# Altium PCB gateway.PcbDoc (part 3 of 4)
Units mm, origin at the board's own origin, x right, y up, seen from the top; angles counter-clockwise.
Board outline 85 x 87.5 mm, 4 copper layers (L1, L2/PWR, L3/GND, L4), stack 1.58 mm thick; 275 components, 211 nets, 1349 pads, 793 vias.
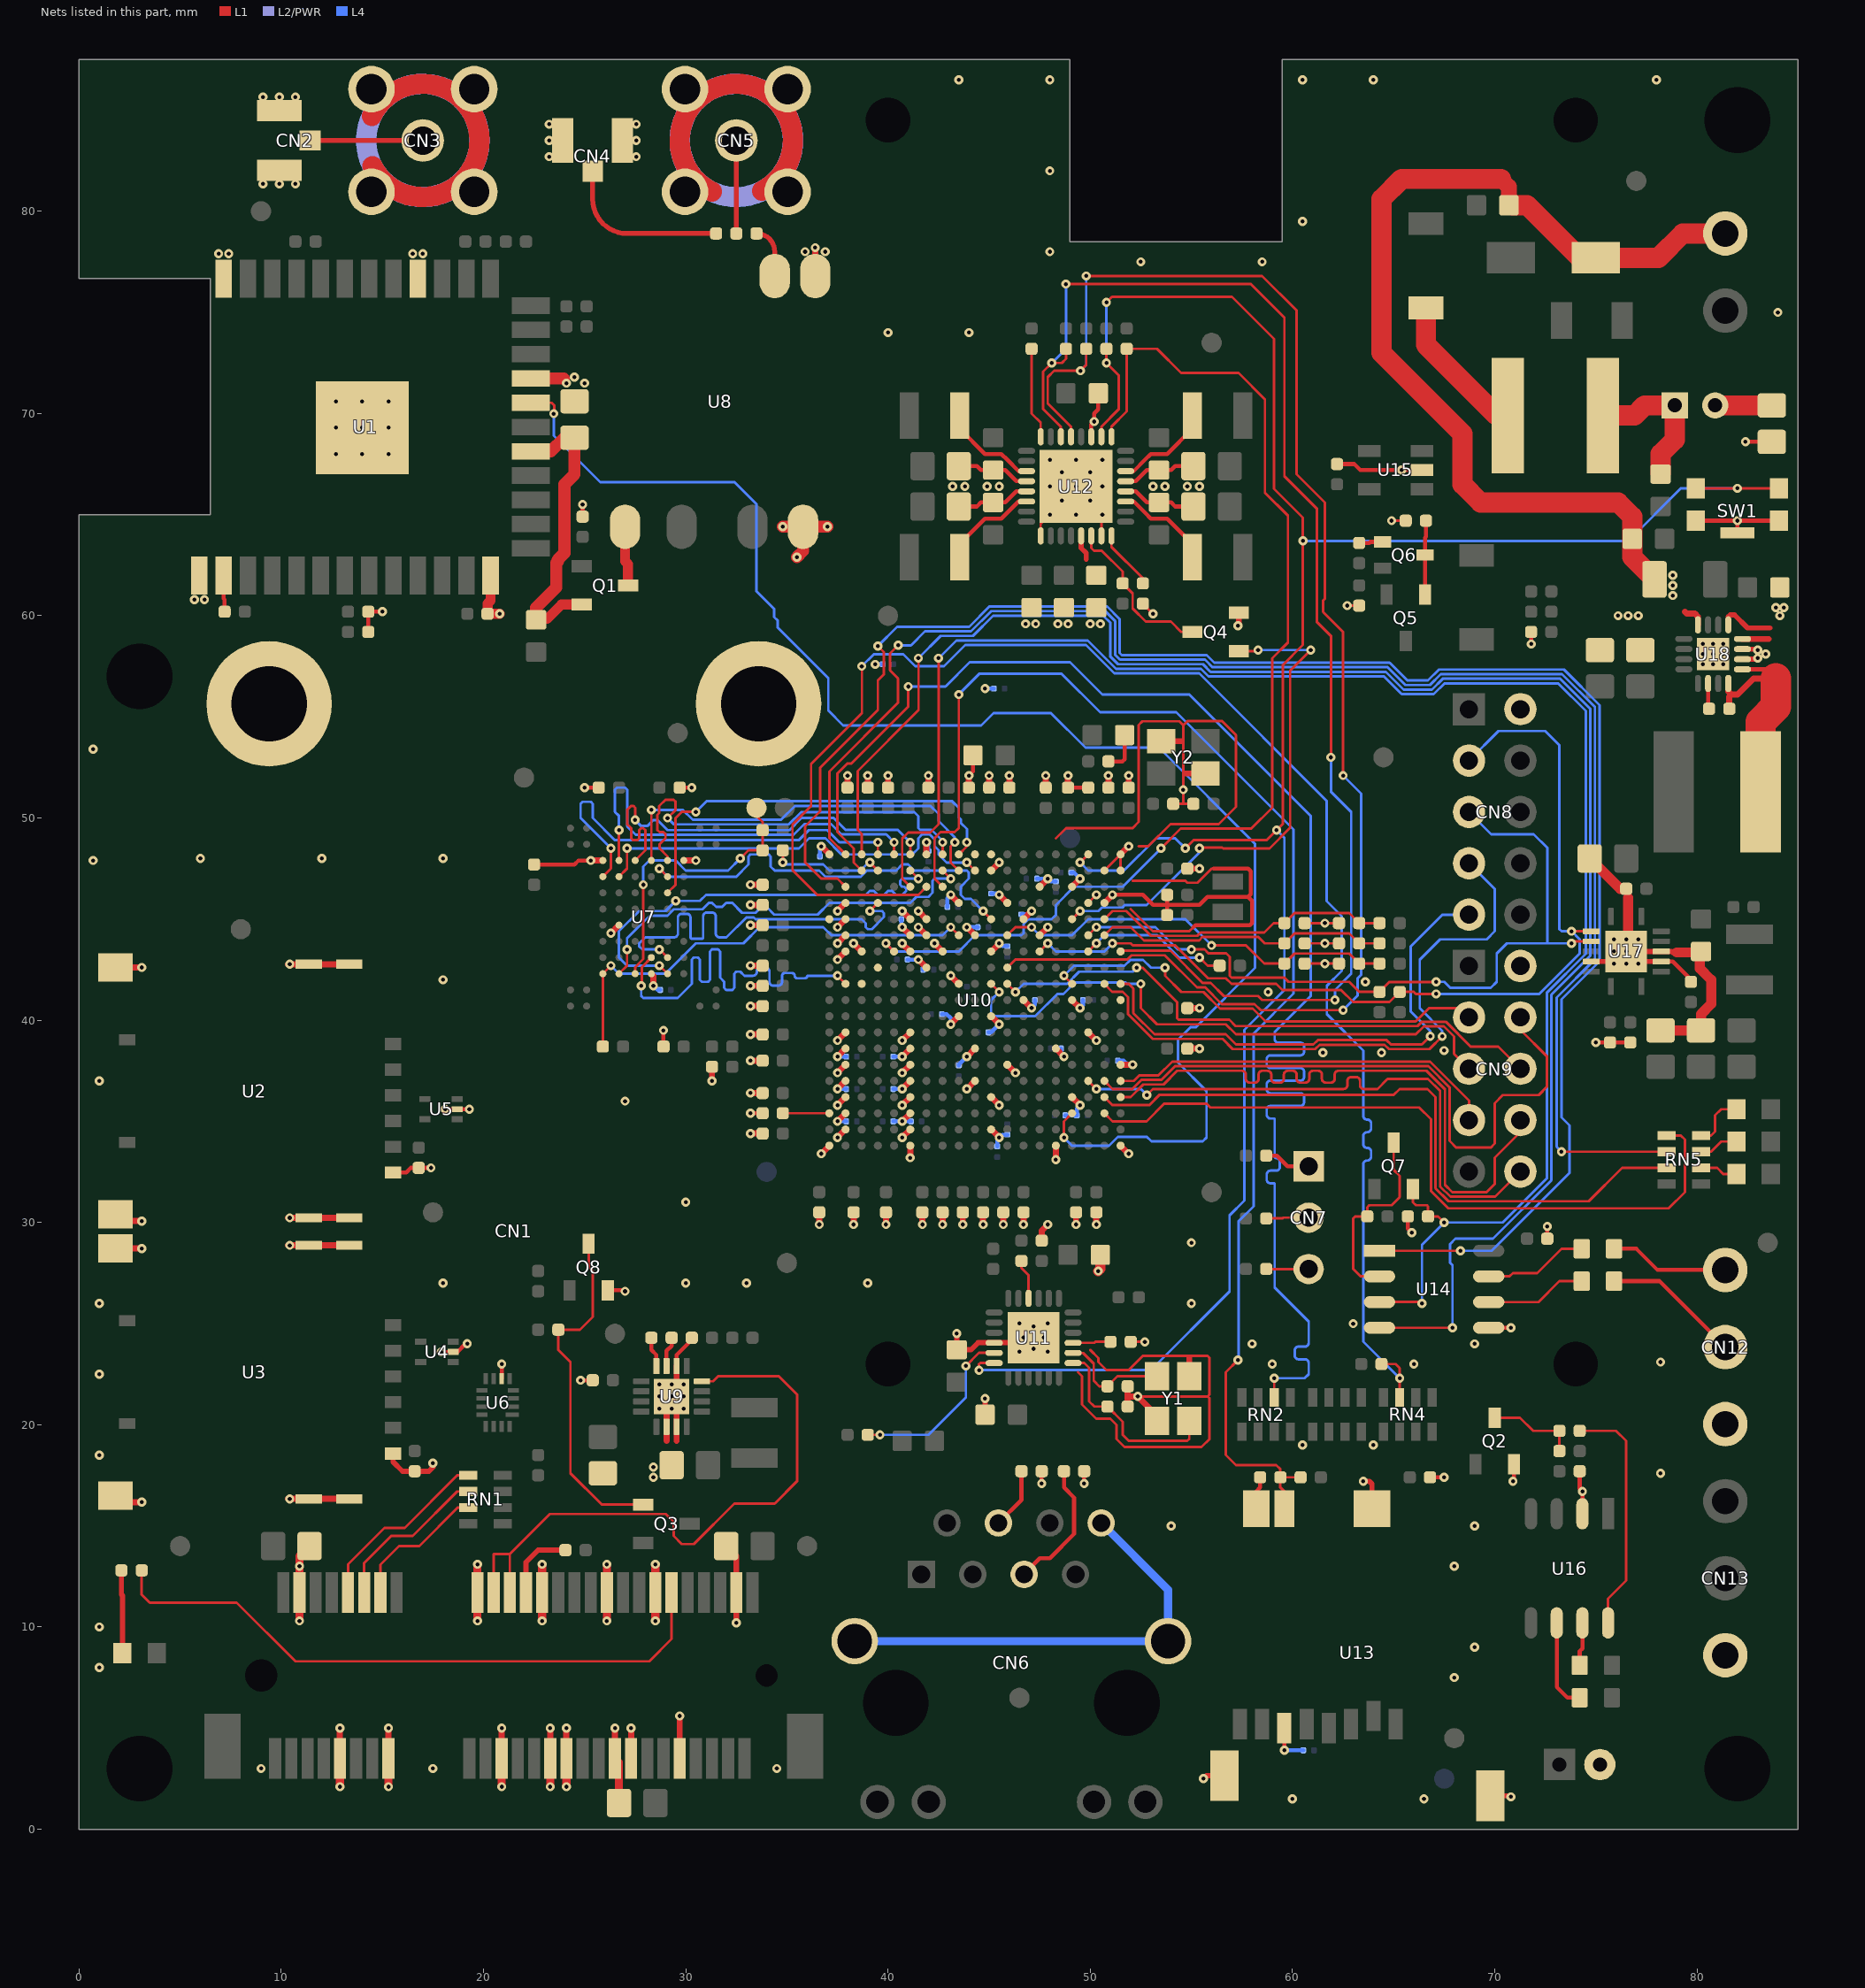
[diagram p5: the nets of this part, all layers, seen from the top]

## Via types
v1: diameter 0.45, hole 0.2, L1 to L4, 715 vias
v2: diameter 0.45, hole 0.2, L1 to L4, tented both sides, 78 vias

## Nets (pads, with @x,y where several pads share a name; then routed paths per layer and width w, separated by ;. In a path a pad name is that pad's centre, name@x,y a point inside that pad or via, vN(x,y) a via of type N, cw(c..) or ccw(c..) an arc to the next point about the centre after c; other vN are vias at no path point) (continued)
GND: C1.2 C2.2 C3.2 C4.2 C5.1 C6.2 C7.2 C8.1 C9.2 C10.2 C11.2 C13.2 C14.2 C15.2 C16.2 C17.2 C18.2 C19.1 C20.2 C21.1 C22.2 C23.2 C24.2 C25.2 C26.2 C28.2 C29.1 C30.2 C31.2 C32.2 C33.1 C34.1 C35.1 C36.1 C37.2 C38.1 C39.1 C40.2 C41.2 C42.2 C43.1 C44.2 C45.2 C46.2 C47.1 C48.1 C49.1 C50.1 C51.1 C52.2 C53.2 C54.2 C55.2 C56.1 C57.1 C58.1 C59.1 C60.2 C61.1 C62.1 C63.1 C64.1 C65.2 C66.2 C67.2 C68.1 C69.2 C70.1 C71.1 C72.1 C73.1 C74.1 C75.1 C76.1 C77.1 C78.1 C79.1 C80.1 C81.1 C82.2 C83.2 C84.2 C86.2 C87.2 C88.2 C89.1 C90.2 C92.2 C93.1 C94.2 C95.2 C96.2 C97.1 C98.2 C99.2 C102.2 C103.2 C104.2 C105.2 C106.2 C107.2 C108.2 C109.2 C110.2 C111.2 C112.2 C113.2 C114.2 C115.2 C116.2 C117.2 C118.2 C119.2 C120.2 C121.2 C122.2 C123.2 C124.2 C125.2 C126.2 C127.2 C128.2 C129.2 C130.2 C131.2 C132.2 C133.2 C134.2 C136.2 C137.2 C138.2 CN1.4 CN1.9 CN1.15 CN1.18 CN1.21 CN1.26 CN1.27 CN1.29 CN1.34 CN1.35 CN1.37 CN1.40 CN1.43 CN1.50 CN1.S1 CN1.S2 CN2.2 CN2.3 CN3.1 CN3.2 CN3.3 CN3.4 CN4.2 CN4.3 CN5.1 CN5.2 CN5.3 CN5.4 CN7.1 CN8.2 CN9.2 CN10.2 CN11.2L CN12.1L CN13.1L D3.1 Q2.2 Q4.2 Q8.2 R4.2 R11.2 R16.2 R17.1 R24.1 R30.1 R34.2 R36.1 R46.1 R47.1 R48.1 R50.2 R57.2 R58.1 R60.1 R67.2 R68.1 SW1.0 SW1.3 SW1.4 U1.1 U1.13 U1.21 U1.28 U1.36 U1.37 U2.5 U2.G1 U2.G2 U2.G3 U2.G4 U2.G5 U2.G6 U3.5 U3.G1 U3.G2 U3.G3 U3.G4 U3.G5 U3.G6 U4.2 U5.2 U6.6 U7.C5 U7.F7 U7.K3 U7.K8 U8.4 U8.5 U9.0 U9.6 U9.14 U9.15 U10.A1 U10.A5 U10.A14 U10.A19 U10.B9 U10.B14 U10.B18 U10.C14 U10.C18 U10.D4 U10.D9 U10.D14 U10.D18 U10.E10 U10.E14 U10.E18 U10.F1 U10.F8 U10.F14 U10.F18 U10.G5 U10.G10 U10.G14 U10.G18 U10.H3 U10.H14 U10.H18 U10.J9 U10.J11 U10.K4 U10.K7 U10.L11 U10.M13 U10.N9 U10.N12 U10.N14 U10.N17 U10.N18 U10.P6 U10.P10 U10.P13 U10.P14 U10.P18 U10.R7 U10.R13 U10.R14 U10.R18 U10.T2 U10.T3 U10.T8 U10.T11 U10.T18 U10.U4 U10.U6 U10.V1 U10.V2 U10.V9 U10.W1 U10.W13 U10.W19 U11.0 U11.22 U12.0 U12.3 U12.12 U12.13 U12.17 U12.23 U12.28 U12.29 U13.6 U13.MH1 U13.MH2 U13.S1 U14.5 U15.2 U16.2 U17.0 U17.5 U17.10 U17.11 U18.0 U18.4 U18.14 U18.15 Y1.2 Y1.4 Y2.2 Y2.4 | length 482.4
  L1 w0.125: U12.17@47.55,63.95 47.55,64.55 U12.0@47.7,64.7 ; 48.3,49 48.8,49.5 52.1,49.5 52.4,49.8 52.4,54.6 52.582,54.782 54.4,54.782 54.6,54.582 ; 49.4,22.6 49.6,22.4 49.6,21 50.3,20.3 51,20.3 51.3,20 51.3,19.3 51.7,18.9 55.5,18.9 55.9,19.3 55.9,21.3 55.8,21.4 ; U10.T3@49.9,45.8 v1@50.298,46.198 ; 50,23.7 50.4,23.3 50.4,23.1 50.8,22.7 51.9,22.7 52.6,23.4 55.8,23.4 55.9,23.3 55.9,21.5 55.8,21.4 ; U12.23@50.55,63.95 U12.0@50.55,64.786 ; U10.V2@50.7,47.4 U10.W1@51.5,48.2 U10.V1@51.5,47.4 ; R36.1@52,24.1 v1(52.7,24.1) ; 52,45.5 53.1,44.4 54.9,44.4 55.1,44.6 ; 52.1,46.9 54.7,46.9 54.8,46.8 55.3,46.8 56,47.5 56.1,47.5 ; v1(52.35,21.4) 55.8,21.4 ; 52.4,48.6 52.862,48.6 53.962,49.7 56.352,49.7 57.2,50.548 57.2,54.1 56.5,54.8 54.818,54.8 54.6,54.582 ; C69.2@52.6,60.6 v1(53.1,60.1) ; C68.1@54.1,50.7 54.6,50.7 ; C77.1@55.1,50.7 54.6,50.7 ; C80.1@60.6,42.8 v1(61.6,42.8) R48.1@62.3,42.8 ; C79.1@60.6,43.8 v1(61.6,43.8) R47.1@62.3,43.8 ; C78.1@60.6,44.8 v1(61.6,44.8) R46.1@62.3,44.8 ; v1(62.7,60.5) R50.2@63.3,60.5 ; v1(64.9,64.7) R57.2@65.6,64.7 ; U18.4@80.05,59.55 U18.4@80.05,59.85 ; 54.6,50.7 v1(54.6,51.4) 54.6,54.582
  L1 w0.2: R4.2@14.3,59.2 C2.2@14.3,60.2 v1(15,60.2) ; U2.5@15.53,32.475 16.175,32.475 16.4,32.7 C4.2@16.8,32.7 v1(17.4,32.7) ; v1(17.9,23.6) U4.2@18.5,23.6 18.713,23.6 19.119,24.006 v1(19.194,24.006) ; v1(18.1,35.6) U5.2@18.7,35.6 v1(19.3,35.6) ; U6.6@20.9,22.275 v1(20.9,23) ; C6.2@22.5,47.7 24.5,47.7 24.7,47.9 v1(25.3,47.9) ; v1(24.8,22.2) C8.1@25.4,22.2 ; R11.2@24.9,64.9 v1(24.9,65.5) ; v1(25,51.5) C10.2@25.7,51.5 ; Q8.2@26.15,26.65 26.95,26.65 v1(27,26.6) ; C14.2@28.9,38.7 v1(28.9,39.5) ; U9.6@29.55,22.9 29.55,23.45 30.3,24.2 R16.2@30.3,24.3 ; C13.2@29.7,51.5 v1(30.3,51.5) ; v1(33.2,35.4) R24.1@33.8,35.4 ; C35.1@43.5,65.4 44.4,65.4 44.6,65.6 C46.2@45.2,65.6 45.8,65.6 46.35,66.15 U12.13@46.85,66.15 ; C34.1@43.5,67.4 44.4,67.4 44.6,67.2 C45.2@45.2,67.2 45.8,67.2 46.35,66.65 U12.12@46.85,66.65 ; v1(44,52.1) 44.2,52.3 C41.2@44.2,53.1 ; v1(47.6,17.1) C50.1@47.6,17.7 ; C58.1@48.9,51.5 R34.2@49.9,51.5 ; v1(49.7,17.1) C57.1@49.7,17.7 ; U12.3@50.05,68.85 50.05,69.45 v1(50.2,69.6) 50.2,70 50.4,70.2 C55.2@50.4,71 ; v1(51.1,46.2) 52.6,46.2 53.1,45.7 53.8,45.7 ; U12.28@51.75,66.15 52.25,66.15 52.8,65.6 54,65.6 54.2,65.4 C76.1@55.1,65.4 ; U12.29@51.75,66.65 52.25,66.65 52.8,67.2 54,67.2 54.2,67.4 C75.1@55.1,67.4 ; C70.1@53.8,45.2 53.8,45.7 ; C72.1@53.8,46.2 53.8,45.7 ; 55.1,44.6 55.2,44.7 57.9,44.7 58,44.8 58,45.9 57.8,46.1 ; 56.1,47.5 57.8,47.5 57.931,47.369 57.931,46.231 57.8,46.1 ; R68.1@58.7,33.3 59.23,33.3 59.75,32.78 CN7.1@60.8,32.78 ; v1(59.6,3.9) U13.6@59.6,5 ; C81.1@62.2,67.5 63.05,67.5 63.35,67.2 v1(65.4,67.2) U15.2@66.4,67.2 ; R58.1@65.7,30.3 65.7,29.7 v1(65.9,29.5) ; C82.2@66.8,17.4 v1(67.5,17.4) ; U14.5@69.7,24.795 70.795,24.795 v1(70.8,24.8) ; v1(70.9,17.2) 70.95,17.25 Q2.2@70.95,18.05 ; v1(71.8,58.6) R60.1@71.8,59.2 ; C84.2@72.6,29.2 v1(72.6,29.8) ; C86.2@74.2,17.7 74.2,16.835 v1(74.335,16.7) U16.2@74.335,15.6 ; v1(75,38.9) C89.1@75.7,38.9 C93.1@76.7,38.9 ; U17.10@78.23,42.9 78.808,42.9 79.7,42.008 C97.1@79.7,41.9 ; SW1.3@79.95,64.7 v1(82,64.7) ; SW1.0@82,64.1 v1(82,64.7) ; v1(82.4,68.6) R67.2@83.7,68.6 ; SW1.4@84.05,64.7 v1(82,64.7) ; 53.8,45.7 55.4,45.7 55.8,46.1 57.8,46.1
  L1 w0.25: U17.5@74.77,42.9 U17.0@75.6,42.9 ; U17.0@77.4,42.9 U17.10@78.23,42.9 ; U17.0@77.4,43.4 U17.11@78.23,43.4 78.754,43.4 78.8,43.354 79.008,43.354
  L1 w0.254: U3.5@15.53,18.575 15.53,18.17 16,17.7 C3.2@16.6,17.7 17.3,17.7 17.5,17.9 v1(17.5,18.1) ; v2(43.4,24.505) C39.1@43.4,23.705 44.106,23.705 44.456,24.055 U11.0@46.056,24.055 ; C43.1@44.8,20.5 v2(44.8,21.3) ; v1(55.6,2.5) 55.75,2.65 U13.MH2@56.63,2.65 ; v1(63.5,17.2) 63.8,17.2 63.93,17.07 U13.S1@63.93,15.85 ; U13.MH1@69.78,1.65 70.75,1.65 v1(70.8,1.6) ; U18.14@82.25,57.85 v2@82.95,57.85 ; U18.15@82.25,58.35 v2@82.95,58.35
  L1 w0.3: CN1.15@15.3,3.5 v1(15.3,5) ; v1(25.3,47.9) U7.K8@25.9,47.9 ; v1(26.3,44.3) U7.F7@26.7,44.7 ; U7.C5@28.3,42.3 28.4,42.2 v1(28.4,41.7) ; 29.05,19.2 U9.14@29.05,19.9 U9.0@29.05,20.6 ; 29.55,19.2 U9.15@29.55,19.9 U9.0@29.55,20.6 ; U9.0@29.55,22.2 U9.6@29.55,22.9 ; U7.K3@29.9,47.9 v1(30.5,47.9) ; v1(31.3,37) R17.1@31.3,37.7 ; v1(33.2,34.4) C26.2@33.8,34.4 ; v1(33.2,36.4) C25.2@33.8,36.4 ; v1(33.2,38) C24.2@33.8,38 ; v1(33.2,39.3) C23.2@33.8,39.3 ; v1(33.2,40.7) C22.2@33.8,40.7 ; v1(33.2,41.7) C21.1@33.8,41.7 ; v1(33.2,42.7) C20.2@33.8,42.7 ; v1(33.2,44.7) C19.1@33.8,44.7 ; v1(33.2,45.7) C18.2@33.8,45.7 ; v1(33.2,46.7) C17.2@33.8,46.7 ; U8.5@36.4,76.8 v1(36.4,78.2) ; v1(36.6,29.9) C28.2@36.6,30.5 ; v1(36.7,33.4) U10.A19@37.1,33.8 ; v1(36.7,48.6) U10.W19@37.1,48.2 ; v1(37.5,34.2) U10.B18@37.9,34.6 ; v1(37.5,35) U10.C18@37.9,35.4 ; v1(37.5,35.8) U10.D18@37.9,36.2 ; v1(37.5,36.6) U10.E18@37.9,37 ; v1(37.5,37.4) U10.F18@37.9,37.8 ; v1(37.5,38.2) U10.G18@37.9,38.6 ; v1(37.5,39) U10.H18@37.9,39.4 ; v1(37.5,43) U10.N18@37.9,43.4 ; v1(37.5,43.8) U10.P18@37.9,44.2 ; v1(37.5,44.6) U10.R18@37.9,45 ; v1(37.5,45.4) U10.T18@37.9,45.8 ; C29.1@38,51.5 v1(38,52.1) ; v1(38.3,29.9) C30.2@38.3,30.5 ; v1(38.3,43.8) U10.N17@38.7,43.4 ; C31.2@39,51.5 v1(39,52.1) ; v1(39.9,29.9) C32.2@39.9,30.5 ; C33.1@40,51.5 v1(40,52.1) ; v1(40.7,34.2) U10.B14@41.1,34.6 ; v1(40.7,35) U10.C14@41.1,35.4 ; v1(40.7,35.8) U10.D14@41.1,36.2 ; v1(40.7,36.6) U10.E14@41.1,37 ; v1(40.7,37.4) U10.F14@41.1,37.8 ; v1(40.7,38.2) U10.G14@41.1,38.6 ; v1(40.7,39) U10.H14@41.1,39.4 ; v1(40.7,43.8) U10.N14@41.1,43.4 ; v1(40.7,44.6) U10.P14@41.1,44.2 ; v1(40.7,45.4) U10.R14@41.1,45 ; v1(41.1,33.2) U10.A14@41.1,33.8 ; v1(41.5,43) U10.M13@41.9,42.6 ; v1(41.5,44.6) U10.P13@41.9,44.2 ; v1(41.5,45.4) U10.R13@41.9,45 ; v1(41.7,29.9) C36.1@41.7,30.5 ; U10.W13@41.9,48.2 v1@41.9,48.8 ; C37.2@42,51.5 v1(42,52.1) ; v1(42.3,43.8) U10.N12@42.7,43.4 ; v1(42.7,29.9) C38.1@42.7,30.5 ; v1(43.1,39.8) U10.J11@43.5,40.2 ; v1(43.1,42.2) U10.L11@43.5,41.8 ; v1(43.1,46.2) U10.T11@43.5,45.8 ; v1(43.7,29.9) C40.2@43.7,30.5 ; v1(43.9,36.6) U10.E10@44.3,37 ; v1(43.9,38.2) U10.G10@44.3,38.6 ; v1(43.9,44.6) U10.P10@44.3,44.2 ; C42.2@44,51.5 v1(44,52.1) ; v1(44.7,29.9) C44.2@44.7,30.5 ; C47.1@45,51.5 v1(45,52.1) ; U10.B9@45.1,34.6 v1(45.5,34.2) ; U10.D9@45.1,36.2 v1(45.5,35.8) ; U10.J9@45.1,40.2 v1(45.5,39.8) ; U10.N9@45.1,43.4 v1(45.5,43.8) ; U10.V9@45.1,47.4 v1(45.5,47.8) ; v1(45.5,46.2) U10.T8@45.9,45.8 ; v1(45.7,29.9) C48.1@45.7,30.5 ; U10.F8@45.9,37.8 v1(46.3,37.4) ; C49.1@46,51.5 v1(46,52.1) ; v1(46.7,29.9) C51.1@46.7,30.5 ; U10.K7@46.7,41 v1(47.1,40.6) ; U10.R7@46.7,45 v1(47.1,45.4) ; U10.P6@47.5,44.2 v1(47.9,44.6) ; U10.U6@47.5,46.6 v1(47.9,47) ; R30.1@47.6,29.1 47.6,29.6 v1(47.9,29.9) ; C53.2@47.8,51.5 v1(47.8,52.1) ; v1(48.3,33.1) U10.A5@48.3,33.8 ; U10.G5@48.3,38.6 v1(48.7,38.2) ; C58.1@48.9,51.5 v1(48.9,52.1) ; U10.D4@49.1,36.2 v1(49.5,35.8) ; U10.K4@49.1,41 v1(49.5,40.6) ; U10.U4@49.1,46.6 v1(49.5,47) ; v1(49.3,29.9) C59.1@49.3,30.5 ; U10.H3@49.9,39.4 v1(50.3,39) ; v1(50.3,29.9) C61.1@50.3,30.5 ; U10.T2@50.7,45.8 v1(51.1,46.2) ; C64.1@50.9,51.5 v1(50.9,52.1) ; U10.A1@51.5,33.8 v1(51.9,33.4) ; U10.F1@51.5,37.8 v1(52.1,37.8) ; U10.W1@51.5,48.2 v1(51.9,48.6) ; C63.1@51.85,20.9 51.85,21.4 ; C62.1@51.85,21.9 51.85,21.4 ; C65.2@51.9,51.5 v1(51.9,52.1) ; Y1.2@53.3,20.2 53.3,20.45 v1(52.35,21.4) 51.85,21.4 ; Y2.4@53.5,53.8 54.5,53.8 ; 54.7,52.2 Y2.2@55.7,52.2 ; C74.1@54.8,38.6 v1(55.4,38.6) ; C73.1@54.8,40.6 v1(55.4,40.6) ; C71.1@54.8,47.5 v1(55.4,47.5) ; Y1.4@54.9,22.4 54.9,23.3 ; v1(57.3,59.5) 57.35,59.55 Q4.2@57.35,60.15 ; 79.4,60.2 79.5,60.1 79.9,60.1 80.05,59.95 U18.4@80.05,59.55
  L1 w0.305: U3.G1@1.8,16.17 v2(3.1,16.17) ; U3.G6@1.8,28.71 v2(3.1,28.71) ; U2.G1@1.8,30.07 v2(3.1,30.07) ; U2.G6@1.8,42.61 v2(3.1,42.61) ; v2(10.42,16.33) 10.34,16.33 U3.G2@11.36,16.33 U3.G3@13.36,16.33 ; v2(10.42,28.87) 10.34,28.87 U3.G5@11.36,28.87 U3.G4@13.36,28.87 ; v2(10.42,30.23) 10.34,30.23 U2.G2@11.36,30.23 U2.G3@13.36,30.23 ; v2(10.42,42.77) 10.34,42.77 U2.G5@11.36,42.77 U2.G4@13.36,42.77 ; CN1.9@12.9,3.5 v2(12.9,5) ; CN1.21@20.9,3.5 v2(20.9,5) ; CN1.27@23.3,3.5 v2(23.3,5) ; CN1.29@24.1,3.5 v2(24.1,5) ; CN1.35@26.5,3.5 v2(26.5,5) ; CN1.37@27.3,3.515 v2(27.3,5) ; CN1.43@29.7,3.6 v2(29.7,5.6) ; C16.2@32,14 32.5,13.5 CN1.50@32.5,11.7 v2(32.5,10.2)
  L1 w0.4: v1(10.9,10.3) 10.9,13.5 C1.2@11.4,14 ; CN1.4@10.9,11.7 v2@10.9,13.1 ; v2(12.9,2.1) CN1.9@12.9,3.5 ; v2(15.3,2.1) CN1.15@15.3,3.5 ; v2(19.7,10.3) CN1.18@19.7,11.7 v2(19.7,13.1) ; v2(20.9,2.1) CN1.21@20.9,3.5 ; v1(22.9,10.3) CN1.26@22.9,11.7 v2(22.9,13.1) ; v2(23.3,2.1) CN1.27@23.3,3.5 ; v2(24.1,2.1) CN1.29@24.1,3.5 ; v2(26.1,10.3) CN1.34@26.1,11.7 v2(26.1,13.1) ; CN1.35@26.5,3.5 26.7,3.3 C11.2@26.7,1.3 ; v2(28.5,10.3) CN1.40@28.5,11.7 v2(28.5,13.1)
  L1 w0.5: U1.13@20.35,61.99 20.35,60.75 20.2,60.6 C5.1@20.2,60.1 v1(20.8,60.1) ; v1(50.4,27.6) 50.5,27.7 C56.1@50.5,28.4 ; C87.2@74.7,48 76.2,46.5 C90.2@76.5,46.5 ; U17.0@76.6,44.3 76.6,46.052 ; C95.2@78.2,39.5 C98.2@80.2,39.5 80.2,40.3 80.7,40.8 80.7,42 80.146,42.554 C99.2@80.146,43.354 ; 79.008,43.354 C99.2@80.146,43.354 ; C99.2@80.2,43.3 C99.2@80.146,43.354
  L1 w0.6: U1.21@22.33,71.73 23.97,71.73 ; v1(34.8,64.4) U8.4@35.8,64.4 ; v1(35.5,62.9) 35.8,63.2 U8.4@35.8,64.4 ; v1(37,64.4) U8.4@35.8,64.4
  L1 w0.8: 70.3,81.6 70.7,81.2 C83.2@70.7,80.5
  L1 w1: 14.48,84.72 cw(c17,83.5) 14.505,82.229 ; 31.28,80.98 cw(c32.5,83.5) 33.771,81.005 ; 70.3,81.6 65.4,81.6 64.4,80.6 64.4,73 68.4,69 68.4,66.5 69.3,65.6 76.1,65.6 76.8,64.9 C96.2@76.8,63.8 76.8,62.9 C94.2@77.9,61.8 ; C83.2@70.9,80.3 71.6,80.3 74.2,77.7 D3.1@75,77.7 78.1,77.7 79.3,78.9 CN11.2L@81.4,78.9
  L2/PWR w1: 19.8,83.5 ccw(c17,83.5) 19.8,83.5 ; 35.3,83.5 ccw(c32.5,83.5) 35.3,83.5
  L4 w0.2: v1(28.4,41.7) 28.6,41.5 C113.2@28.738,41.5 ; C128.2@36.638,48.1 36.638,48.537 v1(36.7,48.6) ; v1(37.5,35) C107.2@37.938,35 ; v1(37.5,36.6) C132.2@37.938,36.6 ; v1(37.5,38.2) C106.2@37.938,38.2 ; v1(39.373,57.594) 39.379,57.6 C137.2@39.737,57.6 ; C103.2@40.262,35 v1(40.7,35) C110.2@41.138,35 ; C133.2@40.262,36.6 v1(40.7,36.6) ; C108.2@40.262,38.2 v1(40.7,38.2) ; C134.2@40.662,45 40.662,44.638 v1(40.7,44.6) ; C105.2@40.962,43 v1(41.5,43) 41.738,42.763 C118.2@41.738,42.5 ; v1(41.899,48.799) 42,48.698 C130.2@42,48.362 ; C111.2@42.662,40.3 42.9,40.3 43.1,40.1 v1(43.1,39.8) ; C115.2@42.938,45.6 42.938,46.037 v1(43.1,46.2) ; C104.2@43.5,37.763 43.5,37.8 v1(43.9,38.2) ; v1(43.9,44.6) C116.2@44.438,44.6 ; v1(44.8,56.4) C136.2@45.238,56.4 ; C109.2@44.962,39.4 45.1,39.4 v1(45.5,39.8) ; C114.2@45.1,46.262 45.438,46.262 v1(45.5,46.2) ; C124.2@45.4,33.762 45.4,34.1 v1(45.5,34.2) 45.638,34.338 C120.2@45.9,34.338 ; v1(45.5,43.8) 45.638,43.662 C112.2@45.9,43.662 ; C138.2@46.6,45.237 46.612,45.25 46.95,45.25 v1(47.1,45.4) ; v1(47.1,40.6) 47.262,40.762 C119.2@47.262,41 ; C123.2@47.362,47 v1(47.9,47) 48.038,46.862 C131.2@48.3,46.862 ; C126.2@48.563,38.6 48.563,38.337 v1(48.7,38.2) ; C125.2@48.762,35.3 C121.2@49.338,35.3 49.338,35.638 v1(49.5,35.8) ; C117.2@49.062,47.3 49.2,47.3 v1(49.5,47) ; v1(49.5,40.6) 49.638,40.738 C122.2@49.638,41 ; C127.2@51.362,38 51.65,38 51.85,37.8 v1(52.1,37.8) ; v1(59.6,3.9) C129.2@60.538,3.9
  L4 w1: 19.8,83.5 ccw(c17,83.5) 19.8,83.5 ; 35.3,83.5 ccw(c32.5,83.5) 35.3,83.5
  other v1: 60,1.5 66.5,1.5 9,3 17.5,3 34.5,3 68,7.5 1,8 69,9 1,10 68,13 54,15 69,15 28.4,17.4 78.2,17.6 28.4,17.9 1,18.5 60.5,19 64,19 28.7,20.8 29.3,20.8 29.9,20.8 28.7,21.4 29.3,21.4 29.9,21.4 28.7,22 29.3,22 29.9,22 1,22.5 59,23 66,23 78.2,23.1 58,24 69,24 63,25 1,26 55,26 18,27 30,27 33,27 39,27 55,29 30,31 27,36 1,37 61.5,38.4 64.4,38.4 67.5,38.5 58.8,41.4 63.6,41.9 18,42 75.9,42.8 76.5,42.8 77.1,42.8 75.9,43.4 76.5,43.4 77.1,43.4 75.9,44 76.5,44 77.1,44 50.298,46.2 0.7,47.9 6,48 12,48 18,48 0.7,53.4 46.8,59.6 47.3,59.6 48.4,59.6 48.9,59.6 50,59.6 50.5,59.6 76.1,60 76.6,60 77.1,60 5.7,60.8 6.2,60.8 78.8,61 78.8,61.5 78.8,62 48,65 49.3,65 50.6,65 48.6,65.7 50,65.7 43.2,66.4 43.8,66.4 44.9,66.4 45.5,66.4 48,66.4 49.3,66.4 50.6,66.4 53.1,66.4 53.7,66.4 54.8,66.4 55.4,66.4 48.6,67.1 50,67.1 48,67.7 49.3,67.7 50.6,67.7 12.7,68 14,68 15.3,68 12.7,69.3 14,69.3 15.3,69.3 12.7,70.6 14,70.6 15.3,70.6 24.1,71.5 25,71.5 24.5,71.8 40,74 44,74 84,75 52.5,77.5 58.5,77.5 6.9,77.9 7.4,77.9 16.5,77.9 17,77.9 35.9,78 36.9,78 48,78 60.5,79.5 48,82 43.5,86.5 48,86.5 60.5,86.5 64,86.5 78,86.5
  other v2: 10.9,13 46.506,23.605 47.906,23.605 47.206,23.755 46.706,24.305 47.706,24.305 47.206,24.855 46.506,25.005 47.906,25.005 80.3,57.6 80.8,57.6 81.3,57.6 83,57.9 80.3,58.1 80.8,58.1 81.3,58.1 83.4,58.1 83,58.3 80.3,58.6 80.8,58.6 81.3,58.6 84.1,60 83.9,60.4 84.3,60.4 9.1,81.35 9.9,81.35 10.7,81.35 23.25,82.7 27.55,82.7 23.25,83.5 27.55,83.5 23.25,84.3 27.55,84.3 9.1,85.65 9.9,85.65 10.7,85.65
GPIO0: CN8.7 U10.L2 | length 31.4
  L1 w0.125: U10.L2@50.7,41.8 51.088,41.412 51.6,41.412 51.863,41.15 51.863,40.3 53.088,39.074 56.544,39.074 57.044,38.574 61.126,38.574 61.339,38.788 64.561,38.788 64.774,38.574 66.774,38.574 v1(67.4,39.2)
  L4 w0.125: v1(67.4,39.2) 67.4,39.482 66.291,40.591 66.291,42.991 67.3,44 69.6,44 70,44.4 70,46.49 CN8.7@68.73,47.76
GPIO1: CN8.9 U10.L1 | length 26
  L1 w0.127: U10.L1@51.5,41.8 51.9,41.8 52.132,41.568 52.132,40.35 53.182,39.3 56.707,39.3 57.207,38.8 61.032,38.8 61.246,39.014 64.654,39.014 64.868,38.8 66.4,38.8 v1(66.811,39.211)
  L4 w0.127: v1(66.811,39.211) 66.811,39.469 65.849,40.431 65.849,43.649 67.42,45.22 CN8.9@68.73,45.22
GPIO2: U10.K1
HSIC_DATA: U10.W9
HSIC_STRB: U10.W10
HWREV0: U10.R19
HWREV1: U10.L17
HWREV2: U10.M16
LDO2: C60.1 U12.21 | length 1.3
  L1 w0.25: U12.21@49.55,63.95 49.55,63.35 49.8,63.1 49.8,62.8
LPM: Q4.3 R38.1 U12.22 | length 8.1
  L1 w0.125: U12.22@50.05,63.95 50.05,63.35 50.187,63.212 50.569,63.212 51.6,62.182 R38.1@51.6,61.6 52.1,61.1 52.1,60.358 52.746,59.712 53.988,59.712 54.5,59.2 Q4.3@55.05,59.2
MAIN_I2C_SCL: CN8.3 R56.1 U10.N6 U17.2 | length 46.8
  L1 w0.125: v1(73.8,44.4) U17.2@74.77,44.4
  L1 w0.127: U10.N6@47.5,43.4 v1(47.9,43.8) ; v1(51.1,43.8) 52,43.8 52.1,43.7 54.2,43.7 55.826,42.074 56.706,42.074 56.98,41.8 59.2,41.8 59.5,41.5 62.4,41.5 63,40.9 64.8,40.9 R56.1@65.3,41.4 66,41.4 66.1,41.3 v1(67.1,41.3)
  L4 w0.127: v1(47.9,43.8) 48.3,43.4 50.7,43.4 v1(51.1,43.8) ; v1(67.1,41.3) 72.2,41.3 74.2,43.3 74.2,44 v1(73.8,44.4) 73.3,44.4 73.2,44.5 73.2,53.6 72.5,54.3 70.19,54.3 CN8.3@68.73,52.84
MAIN_I2C_SDA: CN8.5 R55.1 U10.P3 U17.3 | length 38.3
  L1 w0.125: U10.P3@49.9,44.2 v1(50.3,44.6) ; v1(55,43.5) 55.652,43.5 55.839,43.312 56.729,43.312 56.9,43.141 56.9,42.2 57,42.1 59.6,42.1 59.8,41.9 62.8,41.9 63.3,41.4 R55.1@64.3,41.4 64.787,41.887 67.087,41.887 v1(67.1,41.9) ; v1(73.8,43.8) 73.9,43.9 U17.3@74.77,43.9
  L4 w0.125: v1(50.3,44.6) 53.218,44.6 54.318,43.5 v1(55,43.5) ; v1(67.1,41.9) 67.5,41.9 67.8,41.6 69.8,41.6 70.1,41.9 70.1,43.3 70.6,43.8 v1(73.8,43.8) ; CN8.5@68.73,50.3 69.83,49.2 71.925,49.2 72.6,48.525 72.6,43.8
MCP16502_I2C_SCL: R31.1 U10.N1 U12.6 | length 68.2
  L1 w0.125: U12.6@48.55,68.85 48.55,69.35 47.675,70.225 47.675,72.075 v1(48.1,72.5) 48.6,72.5 48.8,72.7 R31.1@48.8,73.2 ; v1(48.8,76.4) 57.941,76.4 59.6,74.741 59.6,66.9 61.2,65.3 61.2,59.7 61.9,59 v1(61.9,53) ; U10.N1@51.5,43.4 51.538,43.438 53.962,43.438 55.552,41.848 55.952,41.848 56.6,41.2 58.3,41.2 58.5,41 v1(62.1,41)
  L4 w0.125: v1(48.1,72.5) 48.8,73.2 v1(48.8,76.4) ; v1(61.9,53) 61.9,51.3 62.9,50.3 62.9,42.3 62.1,41.5 v1(62.1,41)
MCP16502_I2C_SDA: R32.1 U10.M8 U12.5 | length 76.6
  L1 w0.125: U10.M8@45.9,42.6 46.3,43 51.834,43 52.046,43.213 53.687,43.213 55.277,41.623 55.687,41.623 56.51,40.8 58.13,40.8 58.43,40.5 v1(62.5,40.5) ; U12.5@49.05,68.85 49.05,69.35 47.9,70.5 47.9,71.8 48.212,72.112 v1(49.512,72.112) 49.8,72.4 R32.1@49.8,73.2 ; v1(49.8,76.8) 58.5,76.8 60.2,75.1 60.2,67 61.6,65.6 61.6,60.842 61.512,60.754 61.512,60.188 62.5,59.2 v1(62.5,52.1)